# KiCad board V1.1_XT30_version.kicad_pcb (continued)
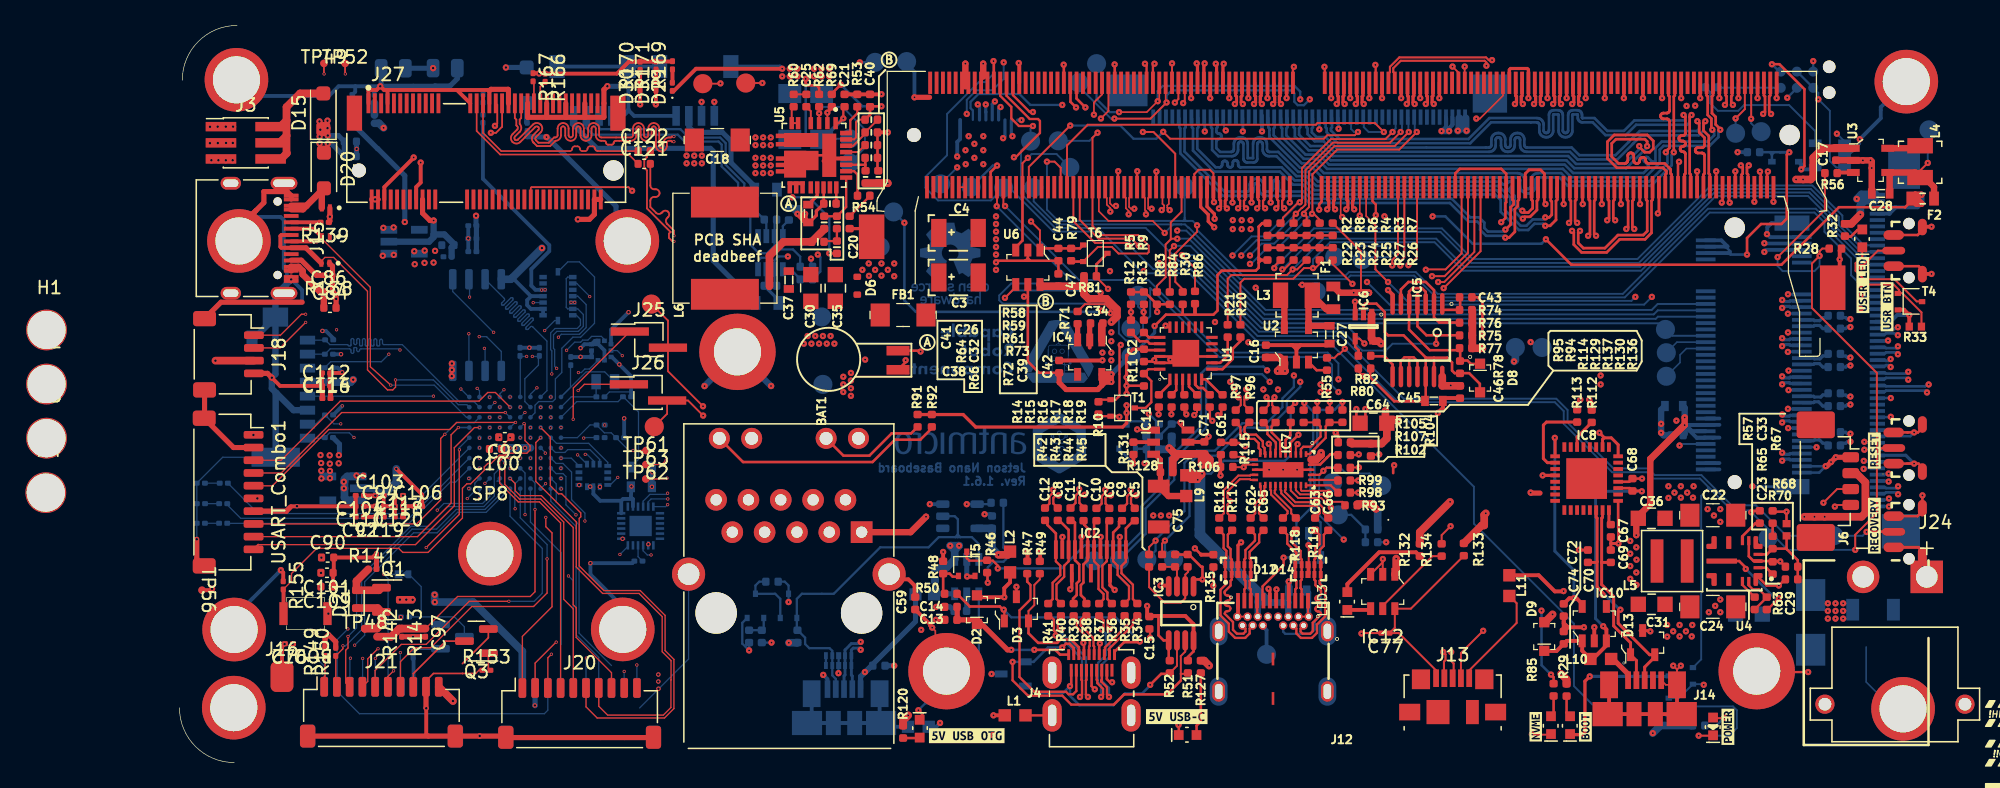
[diagram p0: board, top side]
## Routing (per net, layer and track width the routed paths; a pad name or vN(x,y) marks a point on that pad's centre or on a via; arc(x,y) is an arc through that point)
1V8_DBG: length 16.7
  Top w0.23: IC8.1 108.08,25.49 v1(108.05,25.51)
  Top w0.3: IC10.5 110.2,12.46 109.75,12.91 v1(109.55,12.91) 109.19,12.91 C72.2
  Bottom w0.23: v1(108.05,25.51) 108.05,16.61 109.55,15.11 v1(109.55,12.91)
1V8_SYS: length 95
  Top w0.15: U6.1 67.6,41.81 v1(66.9,42.51)
  Top w0.2: v1(63.5,14.13) 63.48,14.16 63.48,14.9 ; 85.47,42.37 85.06,42.37 84.79,42.1 ; 84.79,42.1 85.07,42.38 R2.2 ; 84.79,42.1 84.79,39.67 ; 84.79,39.67 84.79,39.47 ; 84.79,39.67 84.98,39.48 85.12,39.48 ; 84.79,39.47 84.79,39.48 85.12,39.48 ; 84.79,39.47 84.79,39.27 ; v1(76.61,34.3) 77.5,35.19 78.77,35.19 ; R22.2 85.12,39.48 ; 85.12,39.48 84.99,39.48 84.79,39.27 ; 78.77,35.19 78.82,35.24 78.82,35.78 ; 78.77,35.19 81.23,35.19 81.55,35.51 81.55,38.31 81.89,38.65 84.56,38.65 84.79,38.87 84.79,39.27 ; U6.1 67.73,40.4 C44.2 R79.1 70.73,40.4 T6.1 ; U6.5 66.65,36.61 ; 66.65,36.61 66.65,31.51 67.54,30.62 C42.1 ; 66.65,36.61 v1(66.35,36.61)
  Top w0.3: 79.78,35.24 79.78,36.06
  Top w0.4: 72.46,29.92 72.46,30.5 72.61,30.5 v1(73.21,29.9) ; 72.46,29.92 72.46,29.62 ; 72.46,29.92 72.47,29.9 v1(73.21,29.9) ; v1(73.21,29.9) 72.74,29.9 72.46,29.62 ; v1(73.21,29.9) v1(73.21,30.5) ; 72.46,29.62 72.14,29.3 69.66,29.3 69.11,29.85 C42.1
  Top w0.5: 72.46,30.5 v1(73.21,30.5)
  In2.Cu w0.15: v1(66.9,42.51) 66.9,37.16 v1(66.35,36.61)
  In5_3V3_SYS_SIGNAL.Cu w0.5: v1(73.21,29.9) 73.21,28.85 ; 74.9,14.46 63.83,14.46 v1(63.5,14.13) ; 74.9,14.46 75.59,14.46 ; 74.9,14.46 75.51,14.46 75.85,14.8 ; 75.75,14.71 75.85,14.8 ; 75.85,14.8 75.85,21.36 73.21,24 73.21,28.85 ; 73.21,28.85 v1(73.21,30.5)
  Bottom w0.18: R111.1 64.73,16.88 64.94,16.67 64.94,15.98 64.74,15.78 63.95,15.78 63.5,15.33 v1(63.5,14.13)
  Bottom w0.25: v1(76.61,34.3) 76.61,33.77 TP37.1
  Bottom w0.4: TP37.1 74.61,31.91 v1(73.21,30.5)
3V3_FFC1: length 36.5
  Top w0.15: R7.2 92.82,40.16 92.82,36.94 v1(92.85,36.91)
  Top w0.5: v1(92.25,36.91) v1(93.45,36.91) ; v1(93.45,36.91) 91.14,36.91 F1.2 ; v1(93.45,36.91) v1(92.85,36.91)
  In2.Cu w0.4: v1(99.75,49.61) 99.63,49.52 ; 94.11,37.58 93.65,37.12
  In2.Cu w0.5: 93.65,37.12 94.11,37.58 94.11,38.06 94.43,38.38 96.74,38.38 97.29,38.93 97.29,40.58 99.54,42.83 99.54,49.04 ; 99.54,49.04 99.54,49.44 v1(99.75,49.61) ; 99.54,49.04 99.54,49.22 v1(99.15,49.61) 99.48,49.61 ; 93.95,37.41 93.44,36.91 v1(92.25,36.91)
  Bottom w0.25: 99.75,49.84 100.04,50.14 100.04,50.62 ; v1(99.75,49.61) 99.54,49.84 99.54,50.62
  Bottom w0.3: v1(99.75,49.61) 99.75,49.84 100,50.1 ; v1(99.15,49.61) 99.5,49.96 J1.47 ; J1.48 100,50.1 ; 100,50.1 99.88,49.98
  Bottom w0.5: v1(99.75,49.61) v1(99.15,49.61)
3V3_FFC2: length 63.8
  Top w0.15: v1(92.15,37.61) 90.6,39.16 R26.2
  Top w0.2: v1(107.35,41.11) 109.35,39.11 125.85,39.11 130.37,43.63 135.57,43.63 136.15,44.21 136.55,44.21
  Top w0.5: v1(136.85,44.61) 136.36,44.61 ; 136.36,44.61 F2.1 136.46,43.91 v1(136.85,43.91) 136.36,44.4 136.36,44.61
  In2.Cu w0.2: v1(92.15,37.61) 92.15,38.31 96.75,42.91 v1(98.45,42.91)
  Bottom w0.2: v1(107.35,41.11) 107,40.76 101.6,40.76 99.45,42.91 v1(98.45,42.91)
  Bottom w0.3: J2.47 134.34,43.12 ; 134.34,43.12 134.34,43.5 134.46,43.62 J2.48 134.84,43.62 ; 134.34,43.12 134.84,43.62 ; 134.84,43.62 136.56,43.62 v1(136.85,43.91)
  Bottom w0.5: v1(136.85,44.61) v1(136.85,43.91)
3V3_SYS: length 239.3
  Top w0.15: v1(85.58,25.04) 85.7,24.91 IC7.8
  Top w0.2: 57.99,27.34 59.11,27.34 ; 74.75,36.96 75.83,36.96 76.78,36 77.8,36 ; 81.84,25.1 83.24,25.1 83.49,24.85 v1(83.72,24.85) ; 78.22,16.34 79.3,16.34 80.26,15.38 80.37,15.38 v1(80.37,14.39) 79.67,14.39 79.67,13.84 ; R11.1 75.75,29.6 v1(74.41,29.6) ; R85.2 107.95,6.71 v1(107.75,6.91) ; 126.21,14.48 v1(125.65,13.91) 124.68,13.91 U4.1 ; R67.1 126.25,18.78 v1(126.25,19.71) 125.23,19.71 C33.1 125.25,19.77 ; v1(126.47,47.95) 126.27,47.75 126.27,42.73 125.85,42.31 124.25,42.31 123.15,41.21 v1(123.15,39.91) ; U1.21 75.84,32.4 C2.1
  Top w0.25: v1(74.41,28.07) v1(74.41,27.47) 74.41,26.67 74.1,26.36 62.55,26.36 61.57,27.34 R92.1 R91.2 ; v1(74.41,28.97) v1(74.41,29.6) v1(74.41,30.27) 74.41,31.97 74.91,32.47 C2.1 ; R83.2 76.78,35.43 v1(76.81,35.4)
  Top w0.3: R169.2 38.71,55.08 R171.2 37.43,55.07 R170.2 35.31,55.07 34.37,54.12 R166.1 28.69,54.16 28.28,54.16 v2(28.26,54.14) 28.23,54.16 R167.1
  Top w0.4: v2(31.3,42.68) 32.2,42.68 32.6,43.07 J27.72 J27.74 ; v1(106.15,21.21) 106.19,21.17 106.88,21.17 ; J27.2 15.16,44.24 15.17,44.25 v2(15.37,44.25) 15.59,44.25 J27.4
  Top w0.5: 115.55,23.86 118.2,26.51 ; 115.55,23.86 115.6,23.86 v1(118.25,26.51) v1(118.25,27.11) ; 115.55,23.86 115.55,20.31 114.45,19.21 v1(114.45,17.87)
  In2.Cu w0.5: v1(74.41,29.6) 74.6,29.41 74.6,28.06 74.33,27.79 70.78,27.79 60.4,38.16 60.4,47.31 60.7,47.61 v1(61.1,47.61)
  In5_3V3_SYS_SIGNAL.Cu w0.2: v1(125.65,13.91) 126.25,14.51 v1(126.25,19.71) 125.45,20.51 119.55,20.51 116.91,17.87 v1(114.45,17.87) ; v1(107,11.94) 107,18.36
  In5_3V3_SYS_SIGNAL.Cu w0.3: 32.21,44.25 28.26,48.2 v2(28.26,54.14)
  In5_3V3_SYS_SIGNAL.Cu w0.4: 32.21,42.68 32.21,44.25 v2(15.37,44.25) ; 32.21,42.68 v2(31.3,42.68) ; 32.21,42.68 31.78,42.25 31.78,39.67 35.39,36.06 45.63,36.06 45.63,35.52 49.49,31.66 v1(53.87,31.66)
  Bottom w0.2: v1(126.47,47.95) 125.74,47.95 125.73,47.95 ; 125.26,47.95 125.1,47.8 125.1,47.76 ; 125.26,47.95 125.73,47.95 ; 125.26,47.95 124.96,47.95 ; 125.73,47.95 126.16,47.95 ; 125.1,47.76 125.1,47.81 124.96,47.95 ; 125.1,47.76 D1.A ; 121.47,40.53 121.85,40.15 121.85,39.91 v1(123.15,39.91) ; v1(107.75,6.91) 107.01,7.65 v1(107,11.94) ; 124.96,47.95 C1.2
  Bottom w0.25: F4.1 47.04,36.36 C48.2 46.1,37.62 U7.3
  Bottom w0.3: 120.46,25.51 120.47,25.5 ; J7.16 118.54,26.53 118.44,26.43 118.84,26.03 J7.14 118.68,26.03 118.2,26.51 ; J7.16 120.98,26.53 ; J7.16 118.22,26.53 118.2,26.51 ; J7.74 121.14,41.03 121.62,40.55 121.6,40.53 J7.72 ; J7.70 121.65,40.03 121.67,40.02 ; J7.18 120.98,27.03 ; 120.98,25.53 J7.12 119.77,25.53 119.75,25.51 119.2,25.51 118.2,26.51 ; J7.4 120.98,23.53 ; J7.2 120.98,23.03 ; v1(61.1,47.61) 61.1,48.76 61.33,48.99 61.33,50.49
  Bottom w0.5: C58.2 118.25,25.83 v1(118.25,26.51) ; C57.2 118.25,27.86 v1(118.25,27.11)
  vias: v1(113.98,17.41) v1(113.98,16.41) v1(113.98,15.44) v1(113.98,14.44) v1(114.45,16.91) v1(114.47,15.94) v1(114.45,14.94) v1(114.47,13.96)
5V0_DBG: length 24.3
  Top w0.2: IC8.19 113.93,21.56 C68.2
  Top w0.23: C68.2 114.86,21.34 v1(114.89,21.31)
  Top w0.3: 107.35,8.77 108.19,8.77 C74.2 108.98,9.56 IC10.1 110.2,8.78 L10.2 111.04,8.14 112.1,9.19 IC10.3 112.1,10.46 v1(111.85,10.71)
  Bottom w0.23: v1(114.89,21.31) 111.75,21.31 111.25,20.81 111.25,11.31 v1(111.85,10.71)
5V0_SYS: length 116.1
  Top w0.3: TP56.1 2.45,13.54 v2(2.56,13.65)
  Top w0.6: 92.53,20.31 93.61,20.31 v1(94,19.92) ; v1(108.54,6.96) 108.97,6.53 108.97,6.18 ; v1(89.69,24.34) 89.69,24.17 89.66,24.14 89.66,24.14 89.32,23.8 IC7.30 ; L2.1 65.29,16.61 65.33,16.57 65.08,16.32 v1(64.34,16.32) ; 94.6,26.91 95.72,26.91 ; 94.58,26.6 94.74,26.77 v1(94.74,27.62) ; 94.65,26.53 94.67,26.51 ; IC5.14 99.21,29.6 100.64,29.6 ; v1(102.36,32.55) 101.57,32.55 101.57,35.56 ; IC6.1 93.65,35.18 93.65,33.31 IC6.5 93.86,33.11 94.2,33.11 v1(94.4,32.91) ; C16.1 86.44,31.83 U2.1 ; 130.84,42.32 131.34,42.32 v1(132.06,43.06) ; U2.1 86.8,31.29 v1(86.27,30.76) v1(86.85,30.76) 86.8,30.81 U2.1 ; 70.77,37.43 71.03,37.43 71.06,37.46 71.06,37.6 ; 70.77,37.43 C47.2 67.73,37.43 U6.6 ; 70.77,37.43 70.89,37.43 ; v2(3.64,49.96) J3.1 v2(3,49.96) 3.23,49.96 ; R105.1 92.1,25.06 R104.1 94.45,25.06 94.85,25.46 C64.2 ; 70.89,37.43 71.06,37.6 ; 70.89,37.43 71.06,37.26 71.06,37.2 ; 71.06,37.6 71.06,37.7 ; J6.2 131.73,22.74 132.45,22.01 132.45,19.61 132.15,19.31 v1(129.25,19.31) v1(128.45,19.31) v1(127.65,19.31) ; v1(107.87,11.64) 107.35,11.12 107.35,10.95 ; 71.06,37.2 71.06,36.8 71.42,36.44 72.83,36.44 73.65,35.61 73.65,35.05 v1(73.21,34.6) ; 71.06,37.2 71.06,37.7 ; v1(80.9,7.61) 80.5,8.01 R127.2 ; v1(127,45.81) v1(127.55,45.81) 128.15,45.81 128.35,46.01 128.35,47.51 129.1,48.26 U3.1 131.46,48.3 C17.1 ; R81.2 71.06,37.7 ; C71.1 80.95,23.79 v1(80.95,23.41) ; C71.1 80.3,24.01 v1(80.3,23.41) ; C71.1 80.49,24.25 78.98,24.25 ; v1(80.95,23.41) v1(80.3,23.41) ; v1(80.95,23.41) 80.52,23.84 ; v1(80.3,23.41) 80.52,23.63 80.52,24.14 80.52,23.84 ; 72.46,33.2 72.46,34.42 ; v1(57.25,3.71) 56.85,3.31 56.85,2.9 ; 80.52,23.84 80.52,24.14 ; 78.15,24.31 v1(77.75,24.71) ; 78.15,24.31 78.2,24.26 78.2,23.96 ; 78.15,24.31 78.21,24.25 78.98,24.25 ; 78.98,24.25 78.49,24.25 78.2,23.96 ; J21.10 v2(21.49,4.83) ; 46.35,37.41 46.35,39.81 47.45,40.91 C38.1 50.65,41.9 R64.1 ; 78.2,23.96 78.03,23.8 R128.1 ; R133.1 102.31,18.63 102.5,18.63 102.5,19.45 v1(102.63,19.58) ; R132.2 97.44,18.1 v1(99.82,20.48) ; J18.3 v2(2.83,31.58) ; IC12.1 95.59,14.9 v1(95.59,16.02) ; R72.1 C39.2 55.64,45.53 v1(55.65,45.51)
  Bottom w0.6: v1(100.43,49.64) 100.54,49.75 100.54,50.62 ; v1(131.78,44.28) 132.13,44.64 133.25,44.64 ; v1(101.12,49.64) 101.04,49.72 101.04,50.62 ; v1(61.25,17.04) 61.15,17.04 60.9,16.79 60.65,17.04 v1(60.55,17.04) ; v1(61.25,17.04) 60.9,16.69 ; v1(61.25,17.04) v1(60.55,17.04) ; v1(104.85,31.51) 104.95,31.61 TP41.1 ; 60.9,16.69 v1(60.55,17.04) ; 60.9,16.69 IC9.1 60.23,15.3 R122.1 ; v1(115.75,2.31) 116.35,2.91 R31.2 ; v1(132.06,43.06) 132.06,43.8 132.39,44.14 133.25,44.14 ; U8.5 C60.2 63.83,16.83 v1(64.34,16.32) ; R108.2 48.53,9.41 v1(47.88,9.41) ; v1(94,19.92) 94.14,19.79 R100.2 ; R125.2 77.95,24.91 v1(77.75,24.71) 77.65,24.61 R121.2 ; J17.1 20.39,5.93 v2(21.49,4.83) ; D24.2 15.68,50.23 v1(16.04,49.87)
  vias: v1(52.15,30.31) v1(52.15,29.71) v1(52.15,29.11) v1(52.75,30.61) v1(52.75,30.01) v1(52.75,29.41) v1(52.75,28.81) v1(73.21,33.8) v1(73.21,33.1) v1(95.7,26.91) v1(99.87,29.63) v2(2.39,48.66) v2(2.4,49.95) v2(2.51,47.32) v2(3.01,48.67) v2(3.06,47.32) v2(3.66,48.68) v2(3.64,47.32) v2(4.19,48.68) v2(4.18,47.32) v2(4.21,49.96) v2(5.81,25.74) v3(6.12,20.75) v3(8.9,9.33) v3(37.62,6.92) v3(37.62,6.37) v3(37.63,5.8)
/NextPx4/VBUS: length 11.2
  Top w0.4: 11.18,44.95 D20.2 ; 11.34,36.97 C86.1
  Top w0.5: C84.1 11.34,36.97 ; D16.2 11.18,44.95 ; 8.8,43.47 9.7,43.47 9.97,43.74 ; 9.97,43.74 D20.2 ; 9.97,43.74 J15.A4 ; 8.78,38.67 J15.B4 9.35,38.94 9.68,38.62 9.68,38.35 11.02,37.01 C86.1
/Supply/3V3_EN: length 2
  Top w0.2: 124.06,18.8 123.81,18.8 122.79,17.78 U4.7
/Supply/3V3_FB: length 6.2
  Top w0.2: R70.2 127.14,15.9 126.26,16.77 ; 126.26,16.77 126.23,16.8 R65.2 124.72,16.36 U4.4 ; 126.26,16.77 R67.2
/Supply/3V3_R_C_BOOT: length 3.5
  Top w0.18: R63.2 124.7,12.98 C29.2 124.08,13.61 123.6,13.61 123.29,13.92 U4.14
/Supply/3V3_SW: length 7
  Top w0.18: v1(125.65,12.91) 124.92,12.18 124.7,12.18
  Top w0.2: U4.10 122.53,15.83 123.05,15.31 v1(123.05,15.21)
  Bottom w0.2: v1(125.65,12.91) 125.35,12.91 v1(123.05,15.21)
/Supply/3V3_VCC: length 1.4
  Top w0.2: C23.1 124.66,15.31 U4.2
/Supply/3V3_VIN:
  vias: v1(120.05,19.91) v1(120.15,11.81) v1(120.55,19.41) v1(120.65,12.31) v1(121.05,19.91) v1(121.05,18.91) v1(121.05,12.81) v1(121.05,11.81)
/Supply/5V_BOOT: length 1.4
  Top w0.15: U5.4 49.6,51.18 C25.1
/Supply/5V_COMP: length 2.7
  Top w0.18: R54.1 53.27,46.2 53,46.46 52.38,46.46
/Supply/5V_EN: length 9.2
  Top w0.15: R62.1 v1(50.25,51.01) U5.3
  Bottom w0.15: TP32.1 53.85,48.31 53.85,49.75 52.09,51.51 50.4,51.51 50.25,51.36 v1(50.25,51.01)
/Supply/5V_FB: length 5.2
  Top w0.15: R72.2 53.9,46.96 ; 53.9,46.96 53.2,46.96 ; 53.9,46.96 53.9,47.48 R73.1 ; 53.2,46.96 53.31,46.96 ; 53.2,46.96 52.38,46.96
  Top w0.18: R73.1 53.87,46.93 ; 53.87,46.93 53.83,46.96 52.38,46.96 ; 53.87,46.93 53.87,46.53 R72.2
/Supply/5V_FSW: length 1.7
  Top w0.15: 52.38,47.96 53.31,47.96 R61.1
/Supply/5V_ILIM: length 3.4
  Top w0.15: 52.38,48.46 52.92,48.46 53.87,49.4 R59.1 54.84,50.48 R58.1
/Supply/5V_MODE: length 2.6
  Top w0.18: R53.1 53.25,51.01 52.7,50.46 52.7,49.46 52.38,49.46
/Supply/5V_PHASE: length 1.9
  Top w0.15: U5.5 U5.6 48.1,51.38 R60.2
/Supply/5V_SNS: length 2
  Top w0.18: C38.2 50.7,40.97 R66.2 C32.1
/Supply/5V_SS: length 1.3
  Top w0.2: C26.1 51.6,43.93 51.6,45.19
/Supply/5V_SW: length 7
  Top w0.18: R66.1 51.06,40 v1(51.05,40.01)
  Bottom w0.18: v1(48.15,44.41) 49.45,44.41 51.05,42.81 v1(51.05,40.01)
/Supply/5V_VIN: length 13
  Top w0.18: C21.1 52.15,51.43 v1(52.15,50.61) 51.78,50.24 U5.1
  Top w0.2: v1(49.2,53.71) 49.2,53.36 49.35,53.21 50.05,53.21 50.25,53.01 R62.2
  Bottom w0.15: FB2.2 50.5,49.01 TP30.1
  Bottom w0.2: v1(49.2,53.71) 49.2,49.11
  Bottom w0.3: v1(52.15,50.61) 50.5,48.96 FB2.2
  vias: v1(45.25,49.11) v1(45.25,48.51) v1(45.85,49.11) v1(45.85,48.51) v1(46.45,49.11) v1(46.45,48.51)
/Supply/VDD_5V_DCDC: length 9.9
  Top w0.15: 52.38,48.96 53,48.96 53.15,49.11 53.15,50.31 53.35,50.51 R58.2
  Top w0.2: R58.2 54.25,50.9 C40.1 54.28,51.56 v1(55.15,51.56) ; v1(51.95,53.26) 51.25,52.56 R69.1
  Bottom w0.2: v1(55.15,51.56) 53.65,51.56 v1(51.95,53.26)
GND: length 745.5
  Top w0.1: C99.1 25.31,24.83 C100.1 ; R153.1 23.52,7.25 23.27,7
  Top w0.125: v1(59.13,10.6) 59.38,10.35 59.38,8.41 60.61,7.18 ; J14.S 116.77,6.11 J14.5 ; M1.250 M1.248 ; v1(91.34,42.86) 91.23,42.97 M1.138 ; 92.73,42.98 M1.132 ; J12.B1 J12.Shell ; Q3.2 24.27,9.8 22.23,7.77 ; 23.27,7 19.95,7 19.37,6.41 J21.9 ; J12.B12 J12.Shell
  Top w0.15: 88.7,15.59 88.72,15.6 88.72,16.84 ; J12.A12 88.66,11.52 J12.B1 ; v1(117.95,7.61) 117.65,7.31 J14.S 117.65,7.31 v1(117.35,7.61) ; v1(102.42,10.35) 100.67,8.6 J13.4 ; IC12.3 94.54,15.75 v1(94.54,15.99) 94.53,15.98 IC12.2 ; C77.2 92.89,10.17 v1(92.86,10.14) ; v1(99.86,18.57) 99.16,17.87 R134.2 ; 94.91,17.21 v1(94.8,17.31)
  Top w0.152: M1.176 79.73,46.23 80.07,46.57 80.95,46.57 81.23,46.3 81.23,45.9
  Top w0.18: v1(127.95,7.11) 123.98,7.11 SP4.1 ; T1.2 72.37,27.21 R10.1 ; v1(76.25,9.81) 76.25,10.45 C15.1 ; R107.1 92.6,24.16 v1(92.65,24.21) ; v1(77.47,34.33) 77.59,34.2 U1.18 ; 77.03,18.42 C75.1
  Top w0.2: 82.73,44 82.73,44 82.73,45.2 ; v1(136.93,20.99) 136.92,20.99 REC1.SH1 136.92,19.73 136.55,19.36 REC1.3 ; M1.102 100.23,45.21 100.23,46.29 100.58,46.64 103.84,46.64 104.23,46.25 104.23,44.01 104.17,43.95 104.17,42.78 v1(103.84,42.45) ; v1(89.54,43.44) 89.54,43.88 89.73,44.07 M1.144 ; M1.32 117.73,47.23 ; 76.61,31.79 76.61,31.66 76.46,31.51 75.77,31.51 ; 77.47,34.31 v1(77.47,34.33) ; 102.36,33.57 102.36,36.15 101.96,36.56 101.57,36.56 ; IC2.2 73.85,17.71 v1(73.87,17.72) ; IC2.5 72.35,17.71 v1(72.37,17.72) ; IC2.8 70.85,17.71 v1(70.87,17.72) ; v1(69.37,17.72) 69.35,17.71 IC2.11 ; 69.48,53.4 69.48,54.83 ; IC7.13 IC7.28 ; 73.48,53.4 73.48,54.84 v1(73.47,54.85) ; v1(92.46,27.77) 92.46,26.97 92.83,26.6 93.17,26.95 v1(93.17,27.77) ; 99.27,28.38 99.52,28.64 ; RST1.1 v1(136.28,23.49) ; 66.65,39.61 66.65,39.49 66.59,39.43 ; 66.65,39.61 U6.2 ; 66.65,39.61 66.47,39.43 66.42,39.43 ; 66.65,39.61 66.84,39.43 ; 126.17,15.39 126.17,15.4 v1(125.76,15.8) 125.19,15.8 C23.2 125.11,15.83 U4.3 123.66,15.83 123.29,16.21 U4.6 ; U5.9 49.06,47.71 U5.28 ; 66.84,39.43 C44.1 C47.1 ; 66.84,39.43 66.59,39.43 ; 66.42,39.43 66.59,39.43 ; 66.42,39.43 64.27,39.43 v1(64.15,39.31) ; RST1.SH2 136.92,23.19 136.62,23.49 135.73,23.49 ; v1(136.92,15.34) 136.92,15.35 REC1.SH2 136.92,16.61 136.61,16.92 ; v1(79.77,16.83) 80.26,16.34 80.26,16.34 ; U1.22 78.81,31.9 U1.25 ; 134.67,16.92 136.61,16.92 ; 136.61,16.92 136.6,16.91 REC1.1 ; U1.25 79.31,31.9 U1.9 ; U1.25 78.31,31.4 U1.23 ; IC8.20 113.9,22.06 C68.1 v1(114.9,22.31) ; USR1.SH2 136.92,38.71 136.64,39 USR1.1 ; 95.35,22.74 95.35,23.29 v1(95.42,23.36) ; v1(113.05,17.21) 113.05,18.43 113.02,18.46 IC8.17 ; C39.1 54.84,46.56 R59.2 ; RST1.SH1 136.92,26.28 136.58,25.94 135.76,25.94 RST1.3 ; BAT1.- 57.05,31.46 v1(57.05,31.61) ; 50.6,45.19 50.62,45.17 C26.2 ; 65.75,13.06 65.75,13.83 ; v1(73.75,46.46) 73.73,46.44 M1.200 ; USR1.3 136.56,41.45 136.92,41.81 USR1.SH1
  Top w0.22: 108.73,43.9 108.73,45.2 ; 111.73,43.9 111.73,45.2 ; 113.23,43.9 113.23,45.2 ; 114.73,43.9 M1.44 ; v1(110.25,43.88) 110.23,43.9 M1.62 ; 116.23,45.2 116.23,43.23 v1(116.14,43.14) ; M1.26 119.23,46.45 v1(119.23,46.45) ; M1.20 120.73,46.45 ; M1.14 122.23,46.45 ; M1.8 123.73,44.06 v1(123.73,44.06) ; v1(125.23,44.06) 125.23,44.06 M1.2 ; v1(107.32,43.88) 107.23,43.96 107.23,46.27 106.93,46.56 106.03,46.56 105.73,46.26 M1.80
  Top w0.23: C70.1 109.96,16.7 v1(109.95,16.71) ; v1(111.55,25.91) 111.92,25.54 111.92,25.51 ; v1(115.55,10.31) 115.5,10.36 114.75,10.36 ; 111.92,25.51 111.8,25.39 IC8.26 ; 111.92,25.51 112.49,25.51 113.02,24.97 IC8.24 ; 112.45,17.21 C69.1 ; 112.45,17.21 C67.1 ; 112.45,17.21 v1(113.05,17.21) ; v1(73.84,27.16) 73.79,27.21 T1.2
  Top w0.25: v1(84.23,44) 84.23,45.2 ; 85.73,44 85.73,45.2 ; 87.23,44 87.23,45.2 ; 98.98,52.2 98.98,53.4 ; 97.48,52.2 97.48,53.4 ; 95.98,52.2 95.98,53.4 ; 94.48,52.2 M1.125 ; 93.48,52.2 M1.129 ; 91.98,52.2 M1.135 ; 90.48,52.2 M1.141 ; 83.98,52.2 83.98,53.4 ; 85.48,52.2 M1.153 ; 86.98,52.2 86.98,53.4 ; 79.48,52.2 79.48,53.4 ; 80.98,52.2 80.98,53.4 ; 82.48,52.2 82.48,53.4 ; 125.48,52.2 M1.1 ; 123.98,52.2 M1.7 ; 122.48,52.2 M1.13 ; 120.98,52.2 M1.19 ; 119.48,52.2 M1.25 ; 117.98,52.2 117.98,53.4 ; 116.48,52.2 116.48,53.4 ; 114.98,52.2 114.98,53.4 ; 113.48,52.2 113.48,53.4 ; 111.98,52.2 111.98,53.4 ; 110.48,52.2 110.48,53.4 ; 108.98,52.2 108.98,53.4 ; 105.98,52.2 105.98,53.4 ; 107.48,52.2 107.48,53.4 ; 81.23,44 81.23,45.2 ; v1(83.4,17.3) 83.16,17.06 D12.3 ; C20.1 53.73,41.95 54.38,41.3 ; 104.48,53.4 104.48,54.43 104.58,54.53 105.88,54.53 105.98,54.43 M1.79 ; IC8.4 v1(107.1,22.56) ; C41.2 49.48,42.44 50.03,42.99 50.03,43.33 C26.2
  Top w0.3: v1(108.74,13.47) 108.71,13.45 108.05,13.45 106.78,14.72 L11.1 ; v1(67.62,16.52) 67.62,15.83 67.59,15.81 ; 60,15.81 v1(60,16.55) ; v1(61.88,14.62) 61.89,14.6 62.47,14.6 ; 129.88,37.3 130.43,37.86 v1(130.43,39.53) 130.43,40.23 R28.2 ; v1(94.95,37.12) 95.31,36.76 IC5.7 ; R33.2 v1(135.89,35.16) 135.47,35.58 135.09,35.58 ; USR1.SH2 136.94,38.39 v1(137.64,38.39) ; USR1.SH1 136.95,42.1 v1(137.64,42.1) ; 99.27,28.38 99.26,28.38 99.26,27.87 v1(98.86,27.47) ; 81.84,24.14 81.76,24.07 81.76,22.49 ; v1(74.95,23.49) 74.95,23.99 ; 83.16,11.36 J12.A1 ; 88.7,14.82 88.7,15.59 ; v1(77.06,13.9) 77.66,13.9 IC3.4 ; v1(66.62,16.49) 66.62,15.83 66.6,15.81 ; 99.52,28.64 100.64,28.64 ; 81.23,16.33 80.28,16.33 80.26,16.34 ; J14.S 117.65,4.18 J14.S J14.S J14.S J14.S 112.31,3.92 J14.S ; 111.15,9.55 v1(111.15,10.63) ; v1(59.45,12.23) 60.14,12.23 ; v1(59.43,11.21) 60.14,11.21 ; C21.2 C40.2 55.14,52.5 v1(55.15,52.51) ; 11.81,42.36 R139.1 ; R155.1 8.15,14.93 v1(7.97,15.12) ; v2(7.26,30.24) 7.9,29.59 C112.1 C116.2 11.2,30.57 ; v3(19.39,4.27) 19.39,2.24 19.55,2.08 ; v1(92.35,36.21) 92.35,35.78 92.37,35.76 IC6.3 ; 16.27,52.84 16.35,52.77 J27.7 ; 16.27,52.84 16.06,52.84 v2(15.77,53.13) 15.48,52.84 14.92,52.84 14.85,52.77 J27.1 ; 16.27,52.84 21.8,52.84 ; C27.2 90.23,32.8 88.06,32.8 ; v1(65.93,54.96) 65.98,54.92 65.98,53.4 ; 52.38,47.46 51.3,47.46 U5.28 50.6,47.26 ; C16.2 87.27,32.8 ; 87.27,32.8 87.44,32.8 87.75,32.48 ; 87.27,32.8 88.06,32.8 ; v1(47.35,54.51) 40.58,54.51 38.84,52.77 D29.1 ; 87.75,32.48 U2.2 ; 87.75,32.48 88.06,32.8 ; C106.2 19.07,21.04 v3(17.04,23.08) ; 109.08,10.63 108.77,10.63 108.75,10.61 ; 109.08,10.63 v1(110.34,10.63) ; 109.08,10.63 C74.1 108.75,10.61 ; 109.08,10.63 109.03,10.63 108.75,10.91 ; 109.08,10.63 108.75,10.96 108.75,11.11 ; J27.33 21.8,52.84 ; 21.8,52.84 24.27,52.84 24.35,52.77 J27.39 ; C119.1 16.06,20.13 C94.2 ; C94.2 v3(16.91,20.14) 16.92,20.15 C118.2 ; C94.2 16.04,20.15 C103.2 ; 71.51,33.2 71.51,32.6 ; L1.1 v1(63.95,3.71) ; C72.1 108.75,11.11 ; 108.75,11.11 108.75,10.91 ; C110.2 C92.2 ; C110.2 13.85,20.14 C104.2 ; C110.2 8.77,20.13 8.71,20.07 ; v1(59.13,10.6) 58.98,10.75 58.98,10.85 C59.2 ; v3(15.48,16.43) 15.16,16.11 C90.2 12.12,14.96 C101.1 C109.1 ; C42.2 72.49,31.59 v1(72.51,31.6) ; 108.75,10.91 108.75,10.61 ; 78.99,25.2 C71.2 80.52,25.28 v1(80.85,25.61) ; R59.2 v1(55.65,49.51) ; 8.05,6.75 8.05,9.11 v3(8.26,9.31) ; C117.1 C120.2
  Top w0.4: 37.25,1.96 25.65,1.96 25.53,2.08 23.6,2.08 v3(23.59,2.09) 23.57,2.08 10.07,2.08 ; J18.MP 3.26,36.17 9.64,36.17 ; v2(11.81,42.89) 11.82,42.89 ; v2(11.81,42.89) 11.82,42.89 D16.1 ; v2(11.81,42.89) 11.81,42.53 R139.1 ; 28.85,50.72 28.82,50.69 27.37,50.69 27.35,50.72 J27.51 ; 28.85,50.72 J27.57 ; 28.85,50.72 28.87,50.69 30.32,50.69 30.35,50.72 ; 30.35,50.72 30.37,50.69 31.82,50.69 31.85,50.72 ; 30.35,50.72 J27.63 ; v2(33.62,53.14) 33.35,52.87 J27.75 33.35,50.72 33.32,50.69 31.87,50.69 31.85,50.72 ; USART_Combo1.2 4.25,24.75 USART_Combo1.MP 1.97,27.08 J18.MP 1.87,29.18 ; J21.9 19.37,4.29 v3(19.39,4.27) ; C97.2 18.37,9.89 v3(18.35,9.87) 18.33,9.89 R143.2 ; 1.87,15.48 1.36,15.99 v3(1.36,17.54) ; J6.1 v1(130.12,23.99) 129.42,23.28 v1(129.33,23.28) ; 31.85,50.72 J27.69 ; J27.18 19.1,43.17 19.68,42.59 v1(19.97,42.59) ; J18.4 6.92,30.58 v2(7.26,30.24) ; J27.45 25.85,52.87 25.82,52.89 24.47,52.89 24.35,52.77 ; 8.78,44.27 J15.A1 8.46,44.86 6.63,44.86 6.63,43.99 5.99,43.35 ; 11.79,39.24 D19.1 12.02,38.99 R138.1 C86.2 12.3,36.73 12.3,36.44 v3(12.31,36.43) 12.3,36.42 C84.2 ; C114.1 11.23,29.57 C112.1 ; SP11.1 4.67,42.03 5.99,43.35 ; 5.99,43.35 4.64,42 ; USART_Combo1.7 8.39,19.75 8.71,20.07 ; R141.2 v3(15.48,16.43) ; v1(48.55,43.11) 49.23,42.44 C41.2 49.15,42.69 v1(49.15,43.11) ; J15.B1 J15.A12
  Top w0.406: 71.51,33.2 71.51,34.44
  Top w0.5: 63.13,53.9 63.14,53.92 v1(63.14,54.91) ; C17.2 131.49,47.33 U3.2 v1(132.25,47.31) v1(132.85,47.31) 132.95,47.21 v1(132.95,46.71) C28.2 ; 61.74,53.13 v1(61.74,54.91) ; v1(58.65,19.31) 57.44,18.1 J10.1
  Bottom w0.1: 35.48,29.23 35.37,29.12 33.78,29.12 C108.2 ; v3(1.36,17.54) R158.2 1.37,18.81 R157.2 1.36,20.35 R156.2 3.4,23.99 J23.9 ; U24.11 30.78,23.92 v4(29.98,23.92)
  Bottom w0.125: 82.23,49.56 82.05,49.74 82.05,50.65 ; 132.51,9.08 132.51,6.33 134.62,4.22 SP3.1
  Bottom w0.15: T3.2 117.8,5.06 T2.2 119.7,6.16 v1(119.75,6.11) ; TP40.1 106.64,32.61 v1(106.15,33.04)
  Bottom w0.18: C48.1 46.75,37.62 U7.2 46.75,39.48 47.04,39.76 v1(47.8,39.76) ; T9.2 73.8,24.64 v1(74.95,23.49) ; v1(88.7,17.08) 88.7,17.08 D11.3 ; R126.1 76.95,26.61 v1(76.15,27.41) ; v1(51.77,7.02) 51.77,7.61 D10.3 51.78,8.4 ; R101.1 v1(94.8,17.31) ; TP1.5 v1(128.35,55.11) ; T8.2 44.22,10.98 44.22,9.35 v1(44.75,8.81) R109.2
  Bottom w0.2: v1(123.57,21.7) 123.59,21.68 J7.SH1 ; v1(134.44,27.16) 134.42,27.14 133.25,27.14 ; v1(134.44,28.64) 134.44,28.64 133.25,28.64 ; J7.1 128.82,22.78 129.32,23.28 J7.3 ; v1(126.38,26.28) J7.15 ; 126.38,27.78 J7.21 ; v1(126.36,35.27) 126.37,35.28 J7.51 ; 126.38,36.78 J7.57 ; v1(126.37,33.79) 126.38,33.78 J7.45 ; 126.38,32.28 J7.39 ; v1(126.41,30.79) 126.42,30.78 J7.33 ; 126.38,29.28 J7.27 ; J7.9 128.58,24.78 ; v1(136.28,25.94) 135.98,25.64 133.25,25.64 ; D4.3 v1(63.8,6.96) ; IC1.2 131.09,47.7 132.01,48.62 v1(132.01,48.97) ; TP38.1 v1(53.45,55.01)
  Bottom w0.22: 89.54,50.62 89.54,49.76 v1(89.55,49.75) ; 133.25,33.14 134.21,33.14 ; 91.04,49.76 91.04,50.62 ; 80.55,49.75 80.54,49.76 80.54,50.62 ; 83.54,50.62 83.54,49.73 83.54,49.72
  Bottom w0.25: v1(66.15,50.47) 66.14,50.49 65.85,50.49 ; 133.25,24.14 135.62,24.14 v1(136.28,23.49)
  Bottom w0.3: J7.SH2 125.07,42.38 124.74,42.05 124.74,41.54 v1(124.71,41.51) 124.95,41.28 J7.75 ; v1(124.51,40.12) 124.67,40.28 J7.71 ; v1(124.51,40.8) 124.54,40.78 J7.73 ; v1(135.89,35.16) 134.95,35.16 134.43,34.64 133.25,34.64 ; v1(85.05,49.59) 85.04,49.59 85.04,50.82 ; 34.7,20.57 34.85,20.71 35.6,20.71 ; 34.7,20.57 U26.18 ; 34.7,20.57 33.05,20.57 32.52,21.1 U24.6 32.28,21.67 v3(32.27,21.68) 32.26,21.67 U24.7 ; 13.81,53.13 v2(15.77,53.13) ; 13.81,53.13 13.81,52.7 R145.1 ; 13.81,53.13 12.5,53.13 11.72,52.35 11.69,52.37 5.75,52.37 SP5.1 4.48,53.13 ; J19.MP J19.MP 25.55,2.09 J17.MP J17.MP ; C60.1 63.69,19.51 v1(63.25,19.51) ; SP9.1 34.82,12.24 32.29,14.78 v3(32.29,15.67) 35.58,15.67 C115.2 ; 27.63,36.64 27.32,36.33 27.32,35.93 27.61,35.64 U25.6 U25.7 ; 27.63,36.64 U25.4 ; 27.63,36.64 27.61,36.64 26.16,38.1 ; J11.5 50.91,6.55 v1(50.58,6.89) ; C95.2 v3(22.69,41.18) C111.2 ; 58.87,2.81 59.45,2.81 v1(59.75,3.11) ; 16.99,23.03 v3(17.04,23.08) 17.05,23.09 ; J8.S2 J8.S1 ; J8.S2 J9.S1 38.07,55.03 ; J8.S2 35.27,51.26 35.72,50.81 J9.1 ; U27.3 33.9,34 v3(35.28,35.38) ; 35.6,20.71 35.63,20.69 U26.20 ; 35.6,20.71 35.47,20.85 v3(35.51,21.69) 35.47,21.67 ; v3(19.39,4.27) J17.2 ; C107.2 31.5,31.86 v3(31.51,31.87) 31.51,31.87 U27.8 U27.9 ; U27.5 33.97,31.87 v3(34.56,31.28) 35.48,30.35 C102.2 ; 4.26,11.47 4.32,11.47 ; C1.1 v1(122.41,47.95) ; U8.3 v1(58.95,20.3) ; C105.2 v3(34.94,27.04) ; 7.99,15.1 v1(7.97,15.12) 4.29,11.44 SP12.1 ; 4.64,42 5.51,42.87 7.95,42.87 8.2,42.62 8.2,38.84 8.44,38.6 8.44,38 8.75,38 8.78,37.98 v3(8.78,37.96) 8.8,37.96 9.64,37.12 9.64,36.17 ; 42.97,55.03 J9.S2 47.18,54.68 v1(47.35,54.51) ; v1(132.01,48.97) 133.66,50.62 133.66,51.49 SP1.1 ; 35.15,42 35.15,42.87
  Bottom w0.4: J12.B1 88.71,13.35 C78.1 ; v1(48.55,43.11) 48.55,43.31 48.27,43.59 ; v1(48.55,43.11) v1(49.15,43.11) 48.67,43.59 48.27,43.59 ; v1(48.55,43.11) 48.07,43.59 R89.1 48.27,43.59 ; SP11.1 4.67,42.03 5.51,42.87 ; J8.4 34.82,50.81 35.27,51.26 ; R140.2 27.32,49.17 v1(28.83,49.14) 28.84,49.17 34.3,43.72 34.3,41.87 SP10.1 ; C82.2 13.9,47.64 13.9,48.19 v3(13.92,48.21) 13.9,48.23 C83.2 ; v1(56.15,7.61) C73.1 ; C87.2 21.83,53.73 21.26,53.16 20.08,53.16 20.05,53.13 v2(15.77,53.13) 15.85,53.2 C88.2 ; v1(61.88,14.62) 61.85,14.64 IC9.2 ; 27.94,4.47 27.94,4.47 v3(27.92,4.49) 27.94,4.5 J19.9 ; 35.27,53.13 33.63,53.13 v2(33.62,53.14) ; v1(59.45,12.23) 60.55,12.23 R124.2
  Bottom w0.5: v1(46.47,29.58) 46.47,29.58 43.86,32.19 41.25,29.58 v1(41.25,29.58) ; J23.9 7.56,28.99 7.61,29.04 ; J23.9 5.89,33.35 J23.9 ; J23.9 7.54,36.72 v3(8.78,37.96) ; J23.9 7.54,30.52 v2(7.26,30.24) 7.26,29.39 7.61,29.04 ; U11.2 19.61,40.92 19.97,41.28 19.97,41.49 ; 117.17,25.71 116.6,25.71 v1(116.4,25.91) v1(116.4,26.61) 116.4,27.71 C57.1 ; 7.61,29.04 8.96,27.69 J23.6 ; 19.97,41.49 20.81,41.49 21.57,40.73 C91.2 21.38,40.46 C93.2 ; 19.97,41.49 v1(19.97,42.59)
  Bottom w0.6: U10.2 15.29,21.54 15.67,21.17 16.18,21.17 17.04,22.02 v3(17.04,23.08) ; v2(28.48,40.42) 26.03,37.97 U28.4
  vias: v1(39.84,47.68) v1(39.84,47.08) v1(40.44,47.68) v1(40.44,47.08) v1(41.04,47.68) v1(41.04,47.08) v1(45.25,47.51) v1(45.25,46.91) v1(45.25,46.31) v1(45.85,47.51) v1(45.85,46.91) v1(45.85,46.31) v1(46.45,47.51) v1(46.45,46.91) v1(46.45,46.31) v1(47.35,53.91) v1(47.95,54.51) v1(47.95,53.91) v1(48.55,54.51) v1(48.55,53.91) v1(53.65,38.71) v1(54.15,39.21) v1(54.17,38.24) v1(54.65,38.71) v1(55.15,39.21) v1(55.15,38.25) v1(55.65,38.71) v1(56.15,39.21) v1(56.15,38.21) v1(58.27,10.42) v1(61.75,48.11) v1(61.77,47.01) v1(62,49.21) v1(62.45,48.61) v1(62.45,47.51) v1(63.15,49.21) v1(63.15,48.11) v1(63.15,47.01) v1(63.9,2.16) v1(64.15,42.91) v1(64.15,42.31) v1(64.15,41.71) v1(64.15,41.11) v1(64.15,40.51) v1(64.15,39.91) v1(64.15,38.71) v1(65.75,13.81) v1(69.46,54.83) v1(72.51,32.2) v1(73.21,32.2) v1(73.21,31.6) v1(76.5,19.41) v1(76.58,31.61) v1(77.1,19.41) v1(77.75,19.41) v1(77.84,31.66) v1(79.48,52.2) v1(80.55,49.59) v1(80.98,52.2) v1(81.27,44.03) v1(81.35,34.61) v1(81.79,22.55) v1(82.2,49.66) v1(82.48,52.2) v1(82.55,29.91) v1(82.73,44) v1(82.75,42.61) v1(82.75,41.91) v1(82.9,29.26) v1(83.45,42.61) v1(83.45,41.91) v1(83.54,49.59) v1(83.8,29.32) v1(83.98,52.2) v1(84.15,42.61) v1(84.15,41.91) v1(84.55,37.31) v1(85.15,29.31) v1(85.48,52.2) v1(85.6,23) v1(85.73,44) v1(86.3,29.31) v1(86.7,23) v1(86.98,52.2) v1(87.23,44) v1(87.8,23) v1(89.65,29.71) v1(89.65,29.11) v1(90.25,29.11) v1(90.48,52.2) v1(91.06,49.79) v1(91.98,52.2) v1(92.73,42.98) v1(93.48,52.2) v1(94.48,52.2) v1(95.98,52.2) v1(97.48,52.2) v1(98.98,52.2) v1(102.34,33.57) v1(105.98,52.2) v1(107.48,52.2) v1(108.75,43.88) v1(108.98,52.2) v1(110.48,52.2) v1(111.75,43.88) v1(111.98,52.2) v1(113.25,43.88) v1(113.48,52.2) v1(114.75,43.88) v1(114.98,52.2) v1(116.48,52.2) v1(116.88,10.81) v1(116.88,9.89) v1(116.98,21.71) v1(116.98,20.79) v1(117.35,10.31) v1(117.45,21.21) v1(117.6,26.86) v1(117.81,47.2) v1(117.85,10.81) v1(117.85,9.91) v1(117.98,52.2) v1(117.95,21.71) v1(117.95,20.81) v1(118.35,10.31) v1(118.45,21.21) v1(118.85,10.81) v1(118.81,9.91) v1(118.95,21.71) v1(118.91,20.81) v1(119.48,52.2) v1(120.73,46.45) v1(120.98,52.2) v1(122.23,46.45) v1(122.48,52.2) v1(123.98,52.2) v1(125.48,52.2) v1(126.37,36.79) v1(126.36,32.26) v1(126.37,27.79) v1(126.41,29.26) v1(128.61,24.77) v1(129.75,23.61) v1(134.23,33.16) v3(9.23,20.14) v4(25.98,25.53) v4(26.77,25.52) v4(27.58,25.52) v4(29.18,27.13) v4(29.98,22.33)
